# Allegro board 8880F5-0827_txbegin.brd (continued)
## Routing (per net, layer and track width the routed paths; a pad name or vN(x,y) marks a point on that pad's centre or on a via; arc(x,y) is an arc through that point) (continued)
; 400.51,78.74 D106.B9 ; D106.B9 401.32,79.55 ; D106.B9 402.13,78.74 ; D106.B9 401.32,77.93 ; D115.B6 336.09,368.3 ; D115.B6 335.28,367.49 ; D115.B6 334.47,368.3 ; D115.B6 335.28,369.11 ; D128.A6 25.4,36.37 ; D128.A6 26.21,35.56 ; D128.A6 25.4,34.75 ; D128.A6 24.59,35.56 ; D108.B12 409.75,40.64 ; D108.B12 408.94,39.83 ; D108.B12 408.94,41.45 ; D108.B12 408.13,40.64 ; 327.66,57.61 D103.B9 ; D103.B9 327.66,59.23 ; D103.B9 326.85,58.42 ; D103.B9 328.47,58.42 ; 270.97,81.28 D122.B16 ; D122.B16 272.59,81.28 ; D122.B16 271.78,80.47 ; D122.B16 271.78,82.09 ; 14.43,40.64 D128.B2 ; D128.B2 15.24,39.83 ; D128.B2 15.24,41.45 ; D128.B2 16.05,40.64 ; D108.A12 409.75,35.56 ; D108.A12 408.94,34.75 ; D108.A12 408.94,36.37 ; D108.A12 408.13,35.56 ; D120.B14 193.04,41.45 ; D120.B14 193.04,39.83 ; D120.B14 192.23,40.64 ; D120.B14 193.85,40.64 ; 385.27,370.84 D111.B15 ; D111.B15 386.89,370.84 ; D111.B15 386.08,371.65 ; D111.B15 386.08,370.03 ; D120.B1 160.83,38.1 ; D120.B1 160.02,37.29 ; D120.B1 160.02,38.91 ; D120.B1 159.21,38.1 ; 421.64,395.43 D112.A1 ; D112.A1 422.45,396.24 ; D112.A1 420.83,396.24 ; D112.A1 421.64,397.05 ; D118.B4 167.64,82.09 ; D118.B4 167.64,80.47 ; D118.B4 168.45,81.28 ; D118.B4 166.83,81.28 ; D111.B8 404.67,368.3 ; D111.B8 403.86,367.49 ; D111.B8 403.05,368.3 ; D111.B8 403.86,369.11 ; 271.78,60.15 D123.B16 ; D123.B16 271.78,61.77 ; D123.B16 272.59,60.96 ; D123.B16 270.97,60.96 ; SITE4.G4 331.33,181.81 ; SITE4.G4 331.33,180.85 ; SITE4.G4 330.85,181.33 ; SITE4.G4 331.81,181.33 ; D112.A3 417.37,396.24 ; D112.A3 416.56,397.05 ; D112.A3 415.75,396.24 ; D112.A3 416.56,395.43 ; 312.42,349.71 D114.B15 ; D114.B15 313.23,350.52 ; D114.B15 311.61,350.52 ; D114.B15 312.42,351.33 ; D120.B16 198.12,41.45 ; D120.B16 197.31,40.64 ; D120.B16 198.93,40.64 ; D120.B16 198.12,39.83 ; 344.73,66.04 D302.A16 ; D302.A16 345.44,66.75 ; D302.A16 345.44,65.33 ; D302.A16 346.15,66.04 ; D301.A2 310.59,86.36 ; D301.A2 309.88,87.07 ; D301.A2 309.17,86.36 ; D301.A2 309.88,85.65 ; D306.A11 406.4,64.21 ; D306.A11 405.69,63.5 ; D306.A11 407.11,63.5 ; D306.A11 406.4,62.79 ; CSDPS425.C15 238.76,341.17 ; CSDPS425.C15 239.57,340.36 ; CSDPS425.C15 237.95,340.36 ; CSDPS425.C15 238.76,339.55 ; D124.A4 242.11,35.56 ; D124.A4 241.3,36.37 ; D124.A4 240.49,35.56 ; D124.A4 241.3,34.75 ; D104.B14 341.17,40.64 ; D104.B14 340.36,41.45 ; D104.B14 339.55,40.64 ; D104.B14 340.36,39.83 ; 179.53,381 D431.B9 ; D431.B9 181.15,381 ; D431.B9 180.34,381.81 ; D431.B9 180.34,380.19 ; 172.72,70.41 D318.B6 ; D318.B6 172.01,71.12 ; D318.B6 173.43,71.12 ; D318.B6 172.72,71.83 ; 335.28,387.81 D116.B6 ; D116.B6 335.28,389.43 ; D116.B6 336.09,388.62 ; D116.B6 334.47,388.62 ; D104.A10 330.2,36.37 ; D104.A10 329.39,35.56 ; D104.A10 330.2,34.75 ; D104.A10 331.01,35.56 ; CSDPS429.C13 170.18,341.17 ; CSDPS429.C13 169.37,340.36 ; CSDPS429.C13 170.18,339.55 ; CSDPS429.C13 170.99,340.36 ; D104.B2 310.69,40.64 ; D104.B2 309.88,41.45 ; D104.B2 309.07,40.64 ; D104.B2 309.88,39.83 ; 248.11,73.66 D122.A7 ; D122.A7 248.92,74.47 ; D122.A7 249.73,73.66 ; D122.A7 248.92,72.85 ; D321.B8 252.17,91.44 ; D321.B8 251.46,92.15 ; D321.B8 250.75,91.44 ; D321.B8 251.46,90.73 ; D110.A12 394.51,353.06 ; D110.A12 393.7,352.25 ; D110.A12 392.89,353.06 ; D110.A12 393.7,353.87 ; 324.31,373.38 D115.A10 ; D115.A10 325.12,374.19 ; D115.A10 325.12,372.57 ; D115.A10 325.93,373.38 ; D302.B10 330.91,71.12 ; D302.B10 330.2,70.41 ; D302.B10 329.49,71.12 ; D302.B10 330.2,71.83 ; D132.B9 106.68,38.91 ; D132.B9 106.68,37.29 ; D132.B9 105.87,38.1 ; D132.B9 107.49,38.1 ; D321.A1 234.39,83.82 ; D321.A1 232.97,83.82 ; D321.A1 233.68,84.53 ; D321.A1 233.68,83.11 ; D106.B15 416.56,79.55 ; D106.B15 415.75,78.74 ; D106.B15 416.56,77.93 ; D106.B15 417.37,78.74 ; 340.36,352.25 D114.A4 ; D114.A4 341.17,353.06 ; D114.A4 339.55,353.06 ; D114.A4 340.36,353.87 ; D106.B3 386.89,78.74 ; D106.B3 385.27,78.74 ; D106.B3 386.08,79.55 ; D106.B3 386.08,77.93 ; D318.A10 182.88,66.75 ; D318.A10 182.88,65.33 ; D318.A10 183.59,66.04 ; D318.A10 182.17,66.04 ; 50.8,34.75 D128.A16 ; D128.A16 50.8,36.37 ; D128.A16 49.99,35.56 ; D128.A16 51.61,35.56 ; 44.91,55.88 D127.A14 ; D127.A14 45.72,55.07 ; D127.A14 45.72,56.69 ; D127.A14 46.53,55.88 ; 187.15,368.3 D231.B6 ; D231.B6 187.96,367.49 ; D231.B6 187.96,369.11 ; D231.B6 188.77,368.3 ; D111.B11 397.05,370.84 ; D111.B11 395.43,370.84 ; D111.B11 396.24,371.65 ; D111.B11 396.24,370.03 ; 251.46,34.75 D124.A8 ; D124.A8 250.65,35.56 ; D124.A8 251.46,36.37 ; D124.A8 252.27,35.56 ; D107.A7 397.05,53.34 ; D107.A7 396.24,54.15 ; D107.A7 395.43,53.34 ; D107.A7 396.24,52.53 ; D113.A1 348.79,335.28 ; D113.A1 347.17,335.28 ; D113.A1 347.98,334.47 ; D113.A1 347.98,336.09 ; D113.A9 328.47,335.28 ; D113.A9 327.66,334.47 ; D113.A9 327.66,336.09 ; D113.A9 326.85,335.28 ; 248.21,83.82 D321.A7 ; D321.A7 248.92,83.11 ; D321.A7 248.92,84.53 ; D321.A7 249.63,83.82 ; 269.24,37.29 D124.B15 ; D124.B15 270.05,38.1 ; D124.B15 268.43,38.1 ; D124.B15 269.24,38.91 ; 42.37,78.74 D126.B13 ; D126.B13 43.99,78.74 ; D126.B13 43.18,79.55 ; D126.B13 43.18,77.93 ; 392.89,55.88 D107.A6 ; D107.A6 394.51,55.88 ; D107.A6 393.7,55.07 ; D107.A6 393.7,56.69 ; D106.B7 396.24,79.55 ; D106.B7 396.24,77.93 ; D106.B7 395.43,78.74 ; D106.B7 397.05,78.74 ; D120.A16 198.93,35.56 ; D120.A16 198.12,34.75 ; D120.A16 197.31,35.56 ; D120.A16 198.12,36.37 ; CSDPS225.B6 262.43,332.74 ; CSDPS225.B6 261.62,331.93 ; CSDPS225.B6 261.62,333.55 ; CSDPS225.B6 260.81,332.74 ; 91.44,72.85 D130.A3 ; D130.A3 92.25,73.66 ; D130.A3 90.63,73.66 ; D130.A3 91.44,74.47 ; 398.07,71.12 D306.B8 ; D306.B8 398.78,71.83 ; D306.B8 398.78,70.41 ; D306.B8 399.49,71.12 ; 265.99,86.36 D321.A14 ; D321.A14 267.41,86.36 ; D321.A14 266.7,87.07 ; D321.A14 266.7,85.65 ; 200.66,414.48 DPS8.A01 ; DPS8.A01 199.85,415.29 ; DPS8.A01 200.66,416.1 ; DPS8.A01 201.47,415.29 ; 395.43,330.2 D109.B11 ; D109.B11 396.24,331.01 ; D109.B11 397.05,330.2 ; D109.B11 396.24,329.39 ; 167.64,331.93 CSDPS229.B14 ; CSDPS229.B14 166.83,332.74 ; CSDPS229.B14 167.64,333.55 ; CSDPS229.B14 168.45,332.74 ; D431.B1 201.47,381 ; D431.B1 200.66,380.19 ; D431.B1 199.85,381 ; D431.B1 200.66,381.81 ; D120.B12 188.77,40.64 ; D120.B12 187.96,39.83 ; D120.B12 187.96,41.45 ; D120.B12 187.15,40.64 ; D119.B12 188.77,60.96 ; D119.B12 187.96,61.77 ; D119.B12 187.96,60.15 ; D119.B12 187.15,60.96 ; 401.32,37.29 D108.B9 ; D108.B9 402.13,38.1 ; D108.B9 401.32,38.91 ; D108.B9 400.51,38.1 ; 420.83,350.52 D110.B1 ; D110.B1 421.64,351.33 ; D110.B1 421.64,349.71 ; D110.B1 422.45,350.52 ; D301.B2 309.88,92.15 ; D301.B2 309.88,90.73 ; D301.B2 309.17,91.44 ; D301.B2 310.59,91.44 ; 248.21,68.58 D322.B7 ; D322.B7 248.92,69.29 ; D322.B7 248.92,67.87 ; D322.B7 249.63,68.58 ; CSDPS429.B10 178.61,342.9 ; CSDPS429.B10 176.99,342.9 ; CSDPS429.B10 177.8,342.09 ; CSDPS429.B10 177.8,343.71 ; D128.A10 36.37,35.56 ; D128.A10 35.56,36.37 ; D128.A10 35.56,34.75 ; D128.A10 34.75,35.56 ; D321.A10 256.54,87.07 ; D321.A10 255.83,86.36 ; D321.A10 256.54,85.65 ; D321.A10 257.25,86.36 ; D126.A5 23.67,73.66 ; D126.A5 22.86,74.47 ; D126.A5 22.86,72.85 ; D126.A5 22.05,73.66 ; SITE1.G4 251.81,241.33 ; SITE1.G4 251.33,240.85 ; SITE1.G4 251.33,241.81 ; SITE1.G4 250.85,241.33 ; D126.A1 13.51,73.66 ; D126.A1 12.7,72.85 ; D126.A1 11.89,73.66 ; D126.A1 12.7,74.47 ; 347.17,415.29 DPS2.A01 ; DPS2.A01 347.98,414.48 ; DPS2.A01 347.98,416.1 ; DPS2.A01 348.79,415.29 ; 193.04,331.93 CSDPS229.B4 ; CSDPS229.B4 193.85,332.74 ; CSDPS229.B4 192.23,332.74 ; CSDPS229.B4 193.04,333.55 ; D126.A14 46.53,76.2 ; D126.A14 44.91,76.2 ; D126.A14 45.72,75.39 ; D126.A14 45.72,77.01 ; 175.26,67.87 D318.B7 ; D318.B7 175.26,69.29 ; D318.B7 174.55,68.58 ; D318.B7 175.97,68.58 ; 416.56,32.21 D108.A15 ; D108.A15 417.37,33.02 ; D108.A15 415.75,33.02 ; D108.A15 416.56,33.83 ; 193.04,80.47 D118.B14 ; D118.B14 192.23,81.28 ; D118.B14 193.85,81.28 ; D118.B14 193.04,82.09 ; 306.53,53.34 D103.A1 ; D103.A1 307.34,54.15 ; D103.A1 307.34,52.53 ; D103.A1 308.15,53.34 ; 380.19,58.42 D107.B1 ; D107.B1 381,59.23 ; D107.B1 381,57.61 ; D107.B1 381.81,58.42 ; 16.97,53.34 D127.A3 ; D127.A3 17.78,52.53 ; D127.A3 17.78,54.15 ; D127.A3 18.59,53.34 ; D131.A9 106.68,54.15 ; D131.A9 107.49,53.34 ; D131.A9 106.68,52.53 ; D131.A9 105.87,53.34 ; 180.34,32.21 D120.A9 ; D120.A9 180.34,33.83 ; D120.A9 181.15,33.02 ; D120.A9 179.53,33.02 ; D318.A11 186.13,63.5 ; D318.A11 184.71,63.5 ; D318.A11 185.42,62.79 ; D318.A11 185.42,64.21 ; 99.06,80.47 D130.B6 ; D130.B6 99.87,81.28 ; D130.B6 99.06,82.09 ; D130.B6 98.25,81.28 ; D132.B12 115.11,40.64 ; D132.B12 114.3,39.83 ; D132.B12 114.3,41.45 ; D132.B12 113.49,40.64 ; 33.02,98.25 D125.B9 ; D125.B9 32.21,99.06 ; D125.B9 33.02,99.87 ; D125.B9 33.83,99.06 ; 169.37,78.74 D118.B5 ; D118.B5 170.99,78.74 ; D118.B5 170.18,77.93 ; D118.B5 170.18,79.55 ; 415.75,330.2 D109.B3 ; D109.B3 417.37,330.2 ; D109.B3 416.56,329.39 ; D109.B3 416.56,331.01 ; 329.39,76.2 D102.A10 ; D102.A10 330.2,77.01 ; D102.A10 331.01,76.2 ; D102.A10 330.2,75.39 ; 416.56,13.16 DPS1.A15 ; DPS1.A15 417.37,13.97 ; DPS1.A15 415.75,13.97 ; DPS1.A15 416.56,14.78 ; D118.A7 175.26,74.47 ; D118.A7 175.26,72.85 ; D118.A7 176.07,73.66 ; D118.A7 174.45,73.66 ; 396.24,375.11 D111.A11 ; D111.A11 396.24,376.73 ; D111.A11 397.05,375.92 ; D111.A11 395.43,375.92 ; D306.A9 401.32,64.21 ; D306.A9 402.03,63.5 ; D306.A9 401.32,62.79 ; D306.A9 400.61,63.5 ; 27.94,93.17 D125.A7 ; D125.A7 27.94,94.79 ; D125.A7 28.75,93.98 ; D125.A7 27.13,93.98 ; 237.95,330.2 CSDPS225.C15 ; CSDPS225.C15 238.76,331.01 ; CSDPS225.C15 239.57,330.2 ; CSDPS225.C15 238.76,329.39 ; D305.A4 389.33,86.36 ; D305.A4 387.91,86.36 ; D305.A4 388.62,85.65 ; D305.A4 388.62,87.07 ; D103.B14 340.36,61.77 ; D103.B14 341.17,60.96 ; D103.B14 339.55,60.96 ; D103.B14 340.36,60.15 ; 251.46,85.65 D321.A8 ; D321.A8 251.46,87.07 ; D321.A8 250.75,86.36 ; D321.A8 252.17,86.36 ; D305.B6 394.41,91.44 ; D305.B6 392.99,91.44 ; D305.B6 393.7,90.73 ; D305.B6 393.7,92.15 ; 329.85,187.93 SITE4.G9 ; SITE4.G9 330.81,187.93 ; SITE4.G9 330.33,188.41 ; SITE4.G9 330.33,187.45 ; 400.51,350.52 D110.B9 ; D110.B9 402.13,350.52 ; D110.B9 401.32,351.33 ; D110.B9 401.32,349.71 ; 176.99,378.46 D431.B10 ; D431.B10 178.61,378.46 ; D431.B10 177.8,377.65 ; D431.B10 177.8,379.27 ; D113.A6 336.09,332.74 ; D113.A6 335.28,333.55 ; D113.A6 334.47,332.74 ; D113.A6 335.28,331.93 ; 241.3,55.07 D123.A4 ; D123.A4 240.49,55.88 ; D123.A4 241.3,56.69 ; D123.A4 242.11,55.88 ; 316.69,33.02 D104.A5 ; D104.A5 317.5,32.21 ; D104.A5 317.5,33.83 ; D104.A5 318.31,33.02 ; 116.03,99.06 D129.B13 ; D129.B13 116.84,99.87 ; D129.B13 116.84,98.25 ; D129.B13 117.65,99.06 ; D118.A14 193.85,76.2 ; D118.A14 192.23,76.2 ; D118.A14 193.04,75.39 ; D118.A14 193.04,77.01 ; 414.02,392.89 D112.A4 ; D112.A4 413.21,393.7 ; D112.A4 414.83,393.7 ; D112.A4 414.02,394.51 ; D131.B1 86.36,59.23 ; D131.B1 86.36,57.61 ; D131.B1 85.55,58.42 ; D131.B1 87.17,58.42 ; 164.39,83.82 D317.A3 ; D317.A3 165.1,83.11 ; D317.A3 165.81,83.82 ; D317.A3 165.1,84.53 ; DPS8.C11 175.26,411.02 ; DPS8.C11 176.07,410.21 ; DPS8.C11 175.26,409.4 ; DPS8.C11 174.45,410.21 ; D115.A3 342.9,376.73 ; D115.A3 342.09,375.92 ; D115.A3 342.9,375.11 ; D115.A3 343.71,375.92 ; D116.A11 322.58,397.05 ; D116.A11 321.77,396.24 ; D116.A11 322.58,395.43 ; D116.A11 323.39,396.24 ; 411.48,349.71 D110.B5 ; D110.B5 410.67,350.52 ; D110.B5 411.48,351.33 ; D110.B5 412.29,350.52 ; 43.18,32.21 D128.A13 ; D128.A13 42.37,33.02 ; D128.A13 43.18,33.83 ; D128.A13 43.99,33.02 ; 169.47,83.82 D317.A5 ; D317.A5 170.18,84.53 ; D317.A5 170.89,83.82 ; D317.A5 170.18,83.11 ; DPS2.A05 338.63,415.29 ; DPS2.A05 337.82,416.1 ; DPS2.A05 337.01,415.29 ; DPS2.A05 337.82,414.48 ; 403.86,352.25 D110.A8 ; D110.A8 403.86,353.87 ; D110.A8 404.67,353.06 ; D110.A8 403.05,353.06 ; 421.64,329.39 D109.B1 ; D109.B1 420.83,330.2 ; D109.B1 421.64,331.01 ; D109.B1 422.45,330.2 ; 44.91,35.56 D128.A14 ; D128.A14 46.53,35.56 ; D128.A14 45.72,34.75 ; D128.A14 45.72,36.37 ; 331.33,187.45 SITE4.G10 ; SITE4.G10 331.81,187.93 ; SITE4.G10 331.33,188.41 ; SITE4.G10 330.85,187.93 ; D107.B3 386.08,59.23 ; D107.B3 385.27,58.42 ; D107.B3 386.89,58.42 ; D107.B3 386.08,57.61 ; D103.A14 341.17,55.88 ; D103.A14 340.36,56.69 ; D103.A14 339.55,55.88 ; D103.A14 340.36,55.07 ; 324.31,353.06 D114.A10 ; D114.A10 325.12,352.25 ; D114.A10 325.12,353.87 ; D114.A10 325.93,353.06 ; 235.51,71.12 D322.B2 ; D322.B2 236.22,70.41 ; D322.B2 236.93,71.12 ; D322.B2 236.22,71.83 ; 421.64,334.47 D109.A1 ; D109.A1 421.64,336.09 ; D109.A1 420.83,335.28 ; D109.A1 422.45,335.28 ; 326.85,350.52 D114.B9 ; D114.B9 327.66,349.71 ; D114.B9 328.47,350.52 ; D114.B9 327.66,351.33 ; 24.59,55.88 D127.A6 ; D127.A6 25.4,55.07 ; D127.A6 25.4,56.69 ; D127.A6 26.21,55.88 ; D131.A5 97.33,53.34 ; D131.A5 96.52,54.15 ; D131.A5 95.71,53.34 ; D131.A5 96.52,52.53 ; 194.77,78.74 D118.B15 ; D118.B15 195.58,79.55 ; D118.B15 196.39,78.74 ; D118.B15 195.58,77.93 ; D118.A6 173.53,76.2 ; D118.A6 172.72,75.39 ; D118.A6 172.72,77.01 ; D118.A6 171.91,76.2 ; 88.9,95.71 D129.A2 ; D129.A2 89.71,96.52 ; D129.A2 88.9,97.33 ; D129.A2 88.09,96.52 ; 403.05,60.96 D107.B10 ; D107.B10 404.67,60.96 ; D107.B10 403.86,60.15 ; D107.B10 403.86,61.77 ; D132.B3 91.44,38.91 ; D132.B3 92.25,38.1 ; D132.B3 91.44,37.29 ; D132.B3 90.63,38.1 ; D131.A13 117.65,53.34 ; D131.A13 116.84,54.15 ; D131.A13 116.84,52.53 ; D131.A13 116.03,53.34 ; D321.B1 233.68,89.61 ; D321.B1 234.39,88.9 ; D321.B1 233.68,88.19 ; D321.B1 232.97,88.9 ; 416.56,370.03 D111.B3 ; D111.B3 416.56,371.65 ; D111.B3 417.37,370.84 ; D111.B3 415.75,370.84 ; 393.7,80.47 D106.B6 ; D106.B6 394.51,81.28 ; D106.B6 392.89,81.28 ; D106.B6 393.7,82.09 ; UNK2U2.4 482.49,215.88 ; UNK2U2.4 483.43,214.94 ; UNK2U2.4 481.55,214.94 ; UNK2U2.4 482.49,214 ; D322.A13 264.87,63.5 ; D322.A13 264.16,64.21 ; D322.A13 263.45,63.5 ; D322.A13 264.16,62.79 ; D302.A2 310.59,66.04 ; D302.A2 309.17,66.04 ; D302.A2 309.88,65.33 ; D302.A2 309.88,66.75 ; CSDPS425.C3 269.24,341.17 ; CSDPS425.C3 270.05,340.36 ; CSDPS425.C3 269.24,339.55 ; CSDPS425.C3 268.43,340.36 ; D130.A1 86.36,74.47 ; D130.A1 85.55,73.66 ; D130.A1 87.17,73.66 ; D130.A1 86.36,72.85 ; 311.61,330.2 D113.B15 ; D113.B15 312.42,331.01 ; D113.B15 313.23,330.2 ; D113.B15 312.42,329.39 ; 326.85,78.74 D102.B9 ; D102.B9 328.47,78.74 ; D102.B9 327.66,77.93 ; D102.B9 327.66,79.55 ; D116.B2 345.44,389.43 ; D116.B2 345.44,387.81 ; D116.B2 346.25,388.62 ; D116.B2 344.63,388.62 ; D318.A14 193.04,66.75 ; D318.A14 193.04,65.33 ; D318.A14 192.33,66.04 ; D318.A14 193.75,66.04 ; 408.94,85.65 D305.A12 ; D305.A12 408.94,87.07 ; D305.A12 409.65,86.36 ; D305.A12 408.23,86.36 ; 69.67,209.04 S1_I2C.4 ; S1_I2C.4 70.61,208.1 ; S1_I2C.4 70.61,209.98 ; S1_I2C.4 71.55,209.04 ; CSDPS229.B6 188.77,332.74 ; CSDPS229.B6 187.15,332.74 ; CSDPS229.B6 187.96,333.55 ; CSDPS229.B6 187.96,331.93 ; D124.A11 259.08,33.83 ; D124.A11 258.27,33.02 ; D124.A11 259.89,33.02 ; D124.A11 259.08,32.21 ; 235.51,86.36 D321.A2 ; D321.A2 236.22,87.07 ; D321.A2 236.93,86.36 ; D321.A2 236.22,85.65 ; SITE2.G10 331.81,247.93 ; SITE2.G10 331.33,248.41 ; SITE2.G10 330.85,247.93 ; SITE2.G10 331.33,247.45 ; D318.B14 193.75,71.12 ; D318.B14 193.04,70.41 ; D318.B14 193.04,71.83 ; D318.B14 192.33,71.12 ; 331.85,187.93 SITE4.G11 ; SITE4.G11 332.33,187.45 ; SITE4.G11 332.33,188.41 ; SITE4.G11 332.81,187.93 ; D129.B6 99.87,101.6 ; D129.B6 98.25,101.6 ; D129.B6 99.06,102.41 ; D129.B6 99.06,100.79 ; D108.B6 393.7,41.45 ; D108.B6 392.89,40.64 ; D108.B6 394.51,40.64 ; D108.B6 393.7,39.83 ; D115.A7 332.74,376.73 ; D115.A7 333.55,375.92 ; D115.A7 331.93,375.92 ; D115.A7 332.74,375.11 ; D125.B3 18.59,99.06 ; D125.B3 17.78,98.25 ; D125.B3 17.78,99.87 ; D125.B3 16.97,99.06 ; 164.29,370.84 D231.B15 ; D231.B15 165.91,370.84 ; D231.B15 165.1,371.65 ; D231.B15 165.1,370.03 ; SITE4.G19 331.43,186.91 ; SITE4.G19 330.95,186.43 ; SITE4.G19 331.91,186.43 ; SITE4.G19 331.43,185.95 ; CSDPS429.C7 185.42,341.17 ; CSDPS429.C7 186.23,340.36 ; CSDPS429.C7 184.61,340.36 ; CSDPS429.C7 185.42,339.55 ; D118.A15 196.39,73.66 ; D118.A15 195.58,72.85 ; D118.A15 195.58,74.47 ; D118.A15 194.77,73.66 ; SITE3.G11 252.33,188.41 ; SITE3.G11 252.33,187.45 ; SITE3.G11 251.85,187.93 ; SITE3.G11 252.81,187.93 ; 27.94,57.61 D127.B7 ; D127.B7 27.94,59.23 ; D127.B7 27.13,58.42 ; D127.B7 28.75,58.42 ; CSDPS429.C1 200.66,341.17 ; CSDPS429.C1 199.85,340.36 ; CSDPS429.C1 201.47,340.36 ; CSDPS429.C1 200.66,339.55 ; D231.A13 170.99,375.92 ; D231.A13 170.18,376.73 ; D231.A13 169.37,375.92 ; D231.A13 170.18,375.11 ; 340.36,367.49 D115.B4 ; D115.B4 340.36,369.11 ; D115.B4 339.55,368.3 ; D115.B4 341.17,368.3 ; D103.B4 314.96,61.77 ; D103.B4 314.15,60.96 ; D103.B4 315.77,60.96 ; D103.B4 314.96,60.15 ; DPS1.C01 381.81,19.05 ; DPS1.C01 381,19.86 ; DPS1.C01 381,18.24 ; DPS1.C01 380.19,19.05 ; D119.A2 162.56,56.69 ; D119.A2 161.75,55.88 ; D119.A2 162.56,55.07 ; D119.A2 163.37,55.88 ; 34.75,60.96 D127.B10 ; D127.B10 35.56,61.77 ; D127.B10 35.56,60.15 ; D127.B10 36.37,60.96 ; D318.B4 168.35,71.12 ; D318.B4 167.64,71.83 ; D318.B4 167.64,70.41 ; D318.B4 166.93,71.12 ; 410.67,33.02 D108.A13 ; D108.A13 411.48,32.21 ; D108.A13 412.29,33.02 ; D108.A13 411.48,33.83 ; D123.B4 242.11,60.96 ; D123.B4 241.3,60.15 ; D123.B4 240.49,60.96 ; D123.B4 241.3,61.77 ; D126.B6 25.4,82.09 ; D126.B6 24.59,81.28 ; D126.B6 25.4,80.47 ; D126.B6 26.21,81.28 ; D322.B8 251.46,71.83 ; D322.B8 252.17,71.12 ; D322.B8 250.75,71.12 ; D322.B8 251.46,70.41 ; D129.B11 111.76,99.87 ; D129.B11 110.95,99.06 ; D129.B11 111.76,98.25 ; D129.B11 112.57,99.06 ; D431.A16 162.56,384.35 ; D431.A16 163.37,383.54 ; D431.A16 162.56,382.73 ; D431.A16 161.75,383.54 ; 121.11,73.66 D130.A15 ; D130.A15 122.73,73.66 ; D130.A15 121.92,74.47 ; D130.A15 121.92,72.85 ; 330.95,242.83 SITE2.G15 ; SITE2.G15 331.43,243.31 ; SITE2.G15 331.91,242.83 ; SITE2.G15 331.43,242.35 ; 197.31,342.9 CSDPS429.B2 ; CSDPS429.B2 198.12,342.09 ; CSDPS429.B2 198.93,342.9 ; CSDPS429.B2 198.12,343.71 ; D321.A6 247.09,86.36 ; D321.A6 245.67,86.36 ; D321.A6 246.38,87.07 ; D321.A6 246.38,85.65 ; 177.8,90.73 D317.B8 ; D317.B8 178.51,91.44 ; D317.B8 177.8,92.15 ; D317.B8 177.09,91.44 ; 400.51,33.02 D108.A9 ; D108.A9 401.32,33.83 ; D108.A9 401.32,32.21 ; D108.A9 402.13,33.02 ; 38.1,93.17 D125.A11 ; D125.A11 38.91,93.98 ; D125.A11 37.29,93.98 ; D125.A11 38.1,94.79 ; 326.95,83.82 D301.A9 ; D301.A9 328.37,83.82 ; D301.A9 327.66,83.11 ; D301.A9 327.66,84.53 ; D112.B3 417.37,391.16 ; D112.B3 416.56,390.35 ; D112.B3 415.75,391.16 ; D112.B3 416.56,391.97 ; 332.74,62.79 D302.A11 ; D302.A11 332.74,64.21 ; D302.A11 333.45,63.5 ; D302.A11 332.03,63.5 ; 403.05,393.7 D112.A8 ; D112.A8 403.86,394.51 ; D112.A8 404.67,393.7 ; D112.A8 403.86,392.89 ; D123.A12 261.62,56.69 ; D123.A12 262.43,55.88 ; D123.A12 261.62,55.07 ; D123.A12 260.81,55.88 ; D116.A7 333.55,396.24 ; D116.A7 332.74,395.43 ; D116.A7 331.93,396.24 ; D116.A7 332.74,397.05 ; 166.93,91.44 D317.B4 ; D317.B4 168.35,91.44 ; D317.B4 167.64,90.73 ; D317.B4 167.64,92.15 ; 160.02,83.11 D317.A1 ; D317.A1 160.73,83.82 ; D317.A1 159.31,83.82 ; D317.A1 160.02,84.53 ; 403.05,327.66 D109.B8 ; D109.B8 403.86,326.85 ; D109.B8 404.67,327.66 ; D109.B8 403.86,328.47 ; 413.21,55.88 D107.A14 ; D107.A14 414.83,55.88 ; D107.A14 414.02,56.69 ; D107.A14 414.02,55.07 ; 322.58,72.85 D102.A7 ; D102.A7 321.77,73.66 ; D102.A7 322.58,74.47 ; D102.A7 323.39,73.66 ; 176.99,332.74 CSDPS229.B10 ; CSDPS229.B10 178.61,332.74 ; CSDPS229.B10 177.8,331.93 ; CSDPS229.B10 177.8,333.55 ; D231.B12 172.72,369.11 ; D231.B12 173.53,368.3 ; D231.B12 171.91,368.3 ; D231.B12 172.72,367.49 ; 118.57,96.52 D129.A14 ; D129.A14 119.38,95.71 ; D129.A14 119.38,97.33 ; D129.A14 120.19,96.52 ; 314.96,367.49 D115.B14 ; D115.B14 314.15,368.3 ; D115.B14 314.96,369.11 ; D115.B14 315.77,368.3 ; D132.A6 99.06,36.37 ; D132.A6 99.87,35.56 ; D132.A6 99.06,34.75 ; D132.A6 98.25,35.56 ; D129.A10 109.22,97.33 ; D129.A10 108.41,96.52 ; D129.A10 109.22,95.71 ; D129.A10 110.03,96.52 ; D110.A1 421.64,356.41 ; D110.A1 420.83,355.6 ; D110.A1 422.45,355.6 ; D110.A1 421.64,354.79 ; D122.B5 244.65,78.74 ; D122.B5 243.84,79.55 ; D122.B5 243.84,77.93 ; D122.B5 243.03,78.74 ; D124.A13 264.16,33.83 ; D124.A13 264.97,33.02 ; D124.A13 263.35,33.02 ; D124.A13 264.16,32.21 ; 249.33,247.45 SITE1.G8 ; SITE1.G8 248.85,247.93 ; SITE1.G8 249.33,248.41 ; SITE1.G8 249.81,247.93 ; D431.A10 177.8,384.35 ; D431.A10 177.8,382.73 ; D431.A10 178.61,383.54 ; D431.A10 176.99,383.54 ; D120.A13 191.31,33.02 ; D120.A13 190.5,33.83 ; D120.A13 189.69,33.02 ; D120.A13 190.5,32.21 ; 418.29,393.7 D112.A2 ; D112.A2 419.1,394.51 ; D112.A2 419.91,393.7 ; D112.A2 419.1,392.89 ; DPS1.C15 417.37,19.05 ; DPS1.C15 415.75,19.05 ; DPS1.C15 416.56,18.24 ; DPS1.C15 416.56,19.86 ; D305.B7 396.95,88.9 ; D305.B7 395.53,88.9 ; D305.B7 396.24,88.19 ; D305.B7 396.24,89.61 ; 387.81,60.96 D107.B4 ; D107.B4 388.62,60.15 ; D107.B4 389.43,60.96 ; D107.B4 388.62,61.77 ; D106.A2 384.35,76.2 ; D106.A2 383.54,77.01 ; D106.A2 383.54,75.39 ; D106.A2 382.73,76.2 ; 243.03,330.2 CSDPS225.C13 ; CSDPS225.C13 243.84,331.01 ; CSDPS225.C13 243.84,329.39 ; CSDPS225.C13 244.65,330.2 ; 170.18,72.85 D118.A5 ; D118.A5 170.18,74.47 ; D118.A5 170.99,73.66 ; D118.A5 169.37,73.66 ; D122.B1 234.49,78.74 ; D122.B1 233.68,79.55 ; D122.B1 233.68,77.93 ; D122.B1 232.87,78.74 ; 113.49,35.56 D132.A12 ; D132.A12 114.3,36.37 ; D132.A12 115.11,35.56 ; D132.A12 114.3,34.75 ; 392.89,35.56 D108.A6 ; D108.A6 393.7,36.37 ; D108.A6 393.7,34.75 ; D108.A6 394.51,35.56 ; 306.53,38.1 D104.B1 ; D104.B1 307.34,38.91 ; D104.B1 308.15,38.1 ; D104.B1 307.34,37.29 ; 17.78,32.21 D128.A3 ; D128.A3 17.78,33.83 ; D128.A3 16.97,33.02 ; D128.A3 18.59,33.02 ; D127.B9 33.02,59.23 ; D127.B9 32.21,58.42 ; D127.B9 33.02,57.61 ; D127.B9 33.83,58.42 ; 319.23,347.98 D114.B12 ; D114.B12 320.04,347.17 ; D114.B12 320.85,347.98 ; D114.B12 320.04,348.79 ; 232.87,19.05 DPS3.C01 ; DPS3.C01 234.49,19.05 ; DPS3.C01 233.68,18.24 ; DPS3.C01 233.68,19.86 ; D114.A9 327.66,356.41 ; D114.A9 326.85,355.6 ; D114.A9 327.66,354.79 ; D114.A9 328.47,355.6 ; DPS2.C05 337.82,411.02 ; DPS2.C05 337.01,410.21 ; DPS2.C05 338.63,410.21 ; DPS2.C05 337.82,409.4 ; 418.39,91.44 D305.B16 ; D305.B16 419.1,92.15 ; D305.B16 419.81,91.44 ; D305.B16 419.1,90.73 ; 250.33,247.45 SITE1.G9 ; SITE1.G9 250.81,247.93 ; SITE1.G9 250.33,248.41 ; SITE1.G9 249.85,247.93 ; D110.A15 386.89,355.6 ; D110.A15 386.08,354.79 ; D110.A15 386.08,356.41 ; D110.A15 385.27,355.6 ; 319.23,60.96 D103.B6 ; D103.B6 320.04,60.15 ; D103.B6 320.04,61.77 ; D103.B6 320.85,60.96 ; 19.51,55.88 D127.A4 ; D127.A4 20.32,55.07 ; D127.A4 21.13,55.88 ; D127.A4 20.32,56.69 ; 386.08,83.11 D305.A3 ; D305.A3 385.37,83.82 ; D305.A3 386.79,83.82 ; D305.A3 386.08,84.53 ; D124.B10 256.54,41.45 ; D124.B10 256.54,39.83 ; D124.B10 255.73,40.64 ; D124.B10 257.35,40.64 ; D114.A13 317.5,356.41 ; D114.A13 317.5,354.79 ; D114.A13 316.69,355.6 ; D114.A13 318.31,355.6 ; D110.B2 419.91,347.98 ; D110.B2 419.1,348.79 ; D110.B2 419.1,347.17 ; D110.B2 418.29,347.98 ; D118.B12 188.77,81.28 ; D118.B12 187.96,80.47 ; D118.B12 187.96,82.09 ; D118.B12 187.15,81.28 ; 314.96,90.73 D301.B4 ; D301.B4 314.25,91.44 ; D301.B4 315.67,91.44 ; D301.B4 314.96,92.15 ; 414.02,39.83 D108.B14 ; D108.B14 414.02,41.45 ; D108.B14 414.83,40.64 ; D108.B14 413.21,40.64 ; D124.B2 236.22,41.45 ; D124.B2 237.03,40.64 ; D124.B2 235.41,40.64 ; D124.B2 236.22,39.83 ; 309.88,392.89 D116.A16 ; D116.A16 309.88,394.51 ; D116.A16 310.69,393.7 ; D116.A16 309.07,393.7 ; 96.2,219.15 U2.4 ; U2.4 98.08,219.15 ; U2.4 97.14,220.09 ; U2.4 97.14,218.21 ; D322.A5 244.55,63.5 ; D322.A5 243.13,63.5 ; D322.A5 243.84,62.79 ; D322.A5 243.84,64.21 ; 101.6,57.61 D131.B7 ; D131.B7 102.41,58.42 ; D131.B7 101.6,59.23 ; D131.B7 100.79,58.42 ; 174.45,370.84 D231.B11 ; D231.B11 175.26,371.65 ; D231.B11 176.07,370.84 ; D231.B11 175.26,370.03 ; D103.A2 310.69,55.88 ; D103.A2 309.88,55.07 ; D103.A2 309.88,56.69 ; D103.A2 309.07,55.88 ; CSDPS429.B16 162.56,343.71 ; CSDPS429.B16 163.37,342.9 ; CSDPS429.B16 162.56,342.09 ; CSDPS429.B16 161.75,342.9 ; D118.B8 178.61,81.28 ; D118.B8 176.99,81.28 ; D118.B8 177.8,82.09 ; D118.B8 177.8,80.47 ; D107.A11 407.21,53.34 ; D107.A11 406.4,52.53 ; D107.A11 405.59,53.34 ; D107.A11 406.4,54.15 ; 165.1,380.19 D431.B15 ; D431.B15 165.91,381 ; D431.B15 164.29,381 ; D431.B15 165.1,381.81 ; D132.A2 89.71,35.56 ; D132.A2 88.9,36.37 ; D132.A2 88.09,35.56 ; D132.A2 88.9,34.75 ; 187.15,76.2 D118.A12 ; D118.A12 187.96,75.39 ; D118.A12 188.77,76.2 ; D118.A12 187.96,77.01 ; 176.99,373.38 D231.A10 ; D231.A10 177.8,372.57 ; D231.A10 178.61,373.38 ; D231.A10 177.8,374.19 ; D123.B7 249.73,58.42 ; D123.B7 248.11,58.42 ; D123.B7 248.92,57.61 ; D123.B7 248.92,59.23 ; 314.96,387.81 D116.B14 ; D116.B14 314.96,389.43 ; D116.B14 315.77,388.62 ; D116.B14 314.15,388.62 ; 406.4,77.93 D106.B11 ; D106.B11 407.21,78.74 ; D106.B11 405.59,78.74 ; D106.B11 406.4,79.55 ; D231.A4 193.04,374.19 ; D231.A4 193.04,372.57 ; D231.A4 192.23,373.38 ; D231.A4 193.85,373.38 ; D112.B7 406.4,391.97 ; D112.B7 405.59,391.16 ; D112.B7 407.21,391.16 ; D112.B7 406.4,390.35 ; 108.41,76.2 D130.A10 ; D130.A10 110.03,76.2 ; D130.A10 109.22,75.39 ; D130.A10 109.22,77.01 ; 260.91,91.44 D321.B12 ; D321.B12 261.62,90.73 ; D321.B12 262.33,91.44 ; D321.B12 261.62,92.15 ; 246.38,65.33 D322.A6 ; D322.A6 245.67,66.04 ; D322.A6 246.38,66.75 ; D322.A6 247.09,66.04 ; 121.92,52.53 D131.A15 ; D131.A15 122.73,53.34 ; D131.A15 121.92,54.15 ; D131.A15 121.11,53.34 ; 243.03,340.36 CSDPS425.C13 ; CSDPS425.C13 243.84,341.17 ; CSDPS425.C13 243.84,339.55 ; CSDPS425.C13 244.65,340.36 ; 411.48,375.11 D111.A5 ; D111.A5 411.48,376.73 ; D111.A5 410.67,375.92 ; D111.A5 412.29,375.92 ; 383.54,80.47 D106.B2 ; D106.B2 382.73,81.28 ; D106.B2 383.54,82.09 ; D106.B2 384.35,81.28 ; 247.85,181.33 SITE3.G1 ; SITE3.G1 248.33,180.85 ; SITE3.G1 248.33,181.81 ; SITE3.G1 248.81,181.33 ; 116.03,58.42 D131.B13 ; D131.B13 116.84,59.23 ; D131.B13 117.65,58.42 ; D131.B13 116.84,57.61 ; D305.B3 386.79,88.9 ; D305.B3 386.08,89.61 ; D305.B3 385.37,88.9 ; D305.B3 386.08,88.19 ; 391.16,354.79 D110.A13 ; D110.A13 390.35,355.6 ; D110.A13 391.16,356.41 ; D110.A13 391.97,355.6 ; D102.B2 310.69,81.28 ; D102.B2 309.07,81.28 ; D102.B2 309.88,80.47 ; D102.B2 309.88,82.09 ; D127.B14 45.72,61.77 ; D127.B14 45.72,60.15 ; D127.B14 44.91,60.96 ; D127.B14 46.53,60.96 ; 189.69,370.84 D231.B5 ; D231.B5 190.5,370.03 ; D231.B5 190.5,371.65 ; D231.B5 191.31,370.84 ; D125.A15 48.26,94.79 ; D125.A15 47.45,93.98 ; D125.A15 48.26,93.17 ; D125.A15 49.07,93.98 ; 259.08,62.79 D322.A11 ; D322.A11 259.79,63.5 ; D322.A11 258.37,63.5 ; D322.A11 259.08,64.21 ; 322.58,57.61 D103.B7 ; D103.B7 321.77,58.42 ; D103.B7 322.58,59.23 ; D103.B7 323.39,58.42 ; 243.84,37.29 D124.B5 ; D124.B5 243.84,38.91 ; D124.B5 244.65,38.1 ; D124.B5 243.03,38.1 ; D111.B14 388.62,369.11 ; D111.B14 387.81,368.3 ; D111.B14 389.43,368.3 ; D111.B14 388.62,367.49 ; DPS2.A11 323.39,415.29 ; DPS2.A11 321.77,415.29 ; DPS2.A11 322.58,414.48 ; DPS2.A11 322.58,416.1 ; 95.71,78.74 D130.B5 ; D130.B5 96.52,77.93 ; D130.B5 97.33,78.74 ; D130.B5 96.52,79.55 ; D125.A14 46.53,96.52 ; D125.A14 44.91,96.52 ; D125.A14 45.72,95.71 ; D125.A14 45.72,97.33 ; 15.24,80.47 D126.B2 ; D126.B2 14.43,81.28 ; D126.B2 15.24,82.09 ; D126.B2 16.05,81.28 ; 317.5,62.79 D302.A5 ; D302.A5 317.5,64.21 ; D302.A5 318.21,63.5 ; D302.A5 316.79,63.5 ; 243.84,52.53 D123.A5 ; D123.A5 243.03,53.34 ; D123.A5 244.65,53.34 ; D123.A5 243.84,54.15 ; 251.33,247.45 SITE1.G10 ; SITE1.G10 251.33,248.41 ; SITE1.G10 250.85,247.93 ; SITE1.G10 251.81,247.93 ; D119.B15 195.58,59.23 ; D119.B15 194.77,58.42 ; D119.B15 195.58,57.61 ; D119.B15 196.39,58.42 ; SITE4.G17 329.03,186.91 ; SITE4.G17 329.03,185.95 ; SITE4.G17 328.55,186.43 ; SITE4.G17 329.51,186.43 ; D108.B13 412.29,38.1 ; D108.B13 410.67,38.1 ; D108.B13 411.48,37.29 ; D108.B13 411.48,38.91 ; 312.42,395.43 D116.A15 ; D116.A15 311.61,396.24 ; D116.A15 312.42,397.05 ; D116.A15 313.23,396.24 ; 332.74,77.93 D102.B11 ; D102.B11 331.93,78.74 ; D102.B11 333.55,78.74 ; D102.B11 332.74,79.55 ; 391.16,67.87 D306.B5 ; D306.B5 391.87,68.58 ; D306.B5 390.45,68.58 ; D306.B5 391.16,69.29 ; SITE3.G16 253.11,182.83 ; SITE3.G16 252.15,182.83 ; SITE3.G16 252.63,182.35 ; SITE3.G16 252.63,183.31 ; 176.99,35.56 D120.A8 ; D120.A8 178.61,35.56 ; D120.A8 177.8,36.37 ; D120.A8 177.8,34.75 ; D129.A13 116.84,94.79 ; D129.A13 116.03,93.98 ; D129.A13 117.65,93.98 ; D129.A13 116.84,93.17 ; 419.1,70.41 D306.B16 ; D306.B16 419.1,71.83 ; D306.B16 418.39,71.12 ; D306.B16 419.81,71.12 ; D110.A11 397.05,355.6 ; D110.A11 395.43,355.6 ; D110.A11 396.24,356.41 ; D110.A11 396.24,354.79 ; 270.97,332.74 CSDPS225.B2 ; CSDPS225.B2 271.78,331.93 ; CSDPS225.B2 272.59,332.74 ; CSDPS225.B2 271.78,333.55 ; 240.59,91.44 D321.B4 ; D321.B4 241.3,92.15 ; D321.B4 242.01,91.44 ; D321.B4 241.3,90.73 ; D317.B5 170.18,89.61 ; D317.B5 169.47,88.9 ; D317.B5 170.18,88.19 ; D317.B5 170.89,88.9 ; 121.92,37.29 D132.B15 ; D132.B15 121.92,38.91 ; D132.B15 121.11,38.1 ; D132.B15 122.73,38.1 ; 261.62,85.65 D321.A12 ; D321.A12 260.91,86.36 ; D321.A12 261.62,87.07 ; D321.A12 262.33,86.36 ; 22.05,58.42 D127.B5 ; D127.B5 22.86,57.61 ; D127.B5 22.86,59.23 ; D127.B5 23.67,58.42 ; D123.A3 239.57,53.34 ; D123.A3 238.76,52.53 ; D123.A3 237.95,53.34 ; D123.A3 238.76,54.15 ; 194.77,38.1 D120.B15 ; D120.B15 195.58,38.91 ; D120.B15 195.58,37.29 ; D120.B15 196.39,38.1 ; CSDPS225.B16 236.22,333.55 ; CSDPS225.B16 236.22,331.93 ; CSDPS225.B16 237.03,332.74 ; CSDPS225.B16 235.41,332.74 ; D125.B14 45.72,102.41 ; D125.B14 45.72,100.79 ; D125.B14 44.91,101.6 ; D125.B14 46.53,101.6 ; CSDPS229.C11 176.07,330.2 ; CSDPS229.C11 175.26,331.01 ; CSDPS229.C11 175.26,329.39 ; CSDPS229.C11 174.45,330.2 ; D231.B1 200.66,371.65 ; D231.B1 199.85,370.84 ; D231.B1 201.47,370.84 ; D231.B1 200.66,370.03 ; D114.A6 336.09,353.06 ; D114.A6 334.47,353.06 ; D114.A6 335.28,353.87 ; D114.A6 335.28,352.25 ; 400.51,330.2 D109.B9 ; D109.B9 401.32,331.01 ; D109.B9 402.13,330.2 ; D109.B9 401.32,329.39 ; D128.B9 33.02,38.91 ; D128.B9 32.21,38.1 ; D128.B9 33.02,37.29 ; D128.B9 33.83,38.1 ; D103.A12 335.28,56.69 ; D103.A12 334.47,55.88 ; D103.A12 336.09,55.88 ; D103.A12 335.28,55.07 ; D132.B11 112.57,38.1 ; D132.B11 111.76,38.91 ; D132.B11 110.95,38.1 ; D132.B11 111.76,37.29 ; 311.71,63.5 D302.A3 ; D302.A3 312.42,62.79 ; D302.A3 312.42,64.21 ; D302.A3 313.13,63.5 ; 114.3,95.71 D129.A12 ; D129.A12 113.49,96.52 ; D129.A12 115.11,96.52 ; D129.A12 114.3,97.33 ; D431.A6 188.77,383.54 ; D431.A6 187.15,383.54 ; D431.A6 187.96,384.35 ; D431.A6 187.96,382.73 ; 418.29,332.74 D109.A2 ; D109.A2 419.91,332.74 ; D109.A2 419.1,333.55 ; D109.A2 419.1,331.93 ; D116.B8 330.2,389.43 ; D116.B8 331.01,388.62 ; D116.B8 330.2,387.81 ; D116.B8 329.39,388.62 ; 314.15,327.66 D113.B14 ; D113.B14 315.77,327.66 ; D113.B14 314.96,326.85 ; D113.B14 314.96,328.47 ; D305.A6 393.7,87.07 ; D305.A6 393.7,85.65 ; D305.A6 392.99,86.36 ; D305.A6 394.41,86.36 ; 339.55,393.7 D116.A4 ; D116.A4 341.17,393.7 ; D116.A4 340.36,394.51 ; D116.A4 340.36,392.89 ; D431.A12 172.72,384.35 ; D431.A12 172.72,382.73 ; D431.A12 171.91,383.54 ; D431.A12 173.53,383.54 ; D113.B4 341.17,327.66 ; D113.B4 339.55,327.66 ; D113.B4 340.36,326.85 ; D113.B4 340.36,328.47 ; D130.B10 109.22,82.09 ; D130.B10 108.41,81.28 ; D130.B10 109.22,80.47 ; D130.B10 110.03,81.28 ; D107.B8 399.59,60.96 ; D107.B8 397.97,60.96 ; D107.B8 398.78,61.77 ; D107.B8 398.78,60.15 ; 161.75,40.64 D120.B2 ; D120.B2 162.56,41.45 ; D120.B2 163.37,40.64 ; D120.B2 162.56,39.83 ; 161.85,66.04 D318.A2 ; D318.A2 163.27,66.04 ; D318.A2 162.56,65.33 ; D318.A2 162.56,66.75 ; D123.B3 238.76,59.23 ; D123.B3 238.76,57.61 ; D123.B3 237.95,58.42 ; D123.B3 239.57,58.42 ; DPS2.C01 347.98,411.02 ; DPS2.C01 348.79,410.21 ; DPS2.C01 347.98,409.4 ; DPS2.C01 347.17,410.21 ; 49.99,40.64 D128.B16 ; D128.B16 50.8,41.45 ; D128.B16 51.61,40.64 ; D128.B16 50.8,39.83 ; 179.53,375.92 D231.A9 ; D231.A9 180.34,375.11 ; D231.A9 180.34,376.73 ; D231.A9 181.15,375.92 ; 345.44,75.39 D102.A16 ; D102.A16 346.25,76.2 ; D102.A16 344.63,76.2 ; D102.A16 345.44,77.01 ; 248.85,181.33 SITE3.G2 ; SITE3.G2 249.33,180.85 ; SITE3.G2 249.33,181.81 ; SITE3.G2 249.81,181.33 ; D321.B11 259.79,88.9 ; D321.B11 258.37,88.9 ; D321.B11 259.08,89.61 ; D321.B11 259.08,88.19 ; 249.03,182.35 SITE3.G13 ; SITE3.G13 248.55,182.83 ; SITE3.G13 249.03,183.31 ; SITE3.G13 249.51,182.83 ; 342.9,67.87 D302.B15 ; D302.B15 342.9,69.29 ; D302.B15 342.19,68.58 ; D302.B15 343.61,68.58 ; 314.96,347.17 D114.B14 ; D114.B14 314.96,348.79 ; D114.B14 314.15,347.98 ; D114.B14 315.77,347.98 ; D125.A9 33.83,93.98 ; D125.A9 33.02,93.17 ; D125.A9 33.02,94.79 ; D125.A9 32.21,93.98 ; 96.52,32.21 D132.A5 ; D132.A5 96.52,33.83 ; D132.A5 97.33,33.02 ; D132.A5 95.71,33.02 ; SITE2.G6 333.81,241.33 ; SITE2.G6 333.33,241.81 ; SITE2.G6 332.85,241.33 ; SITE2.G6 333.33,240.85 ; 169.37,58.42 D119.B5 ; D119.B5 170.18,59.23 ; D119.B5 170.99,58.42 ; D119.B5 170.18,57.61 ; D305.A2 384.25,86.36 ; D305.A2 383.54,85.65 ; D305.A2 382.83,86.36 ; D305.A2 383.54,87.07 ; D132.A4 94.79,35.56 ; D132.A4 93.98,34.75 ; D132.A4 93.98,36.37 ; D132.A4 93.17,35.56 ; 182.07,40.64 D120.B10 ; D120.B10 183.69,40.64 ; D120.B10 182.88,39.83 ; D120.B10 182.88,41.45 ; D106.B16 419.91,81.28 ; D106.B16 419.1,80.47 ; D106.B16 419.1,82.09 ; D106.B16 418.29,81.28 ; 332.63,182.35 SITE4.G16 ; SITE4.G16 333.11,182.83 ; SITE4.G16 332.63,183.31 ; SITE4.G16 332.15,182.83 ; 268.43,33.02 D124.A15 ; D124.A15 269.24,32.21 ; D124.A15 269.24,33.83 ; D124.A15 270.05,33.02 ; 316.69,350.52 D114.B13 ; D114.B13 318.31,350.52 ; D114.B13 317.5,351.33 ; D114.B13 317.5,349.71 ; D108.B3 386.08,38.91 ; D108.B3 385.27,38.1 ; D108.B3 386.89,38.1 ; D108.B3 386.08,37.29 ; D111.A4 414.02,374.19 ; D111.A4 413.21,373.38 ; D111.A4 414.02,372.57 ; D111.A4 414.83,373.38 ; D302.B12 335.99,71.12 ; D302.B12 335.28,71.83 ; D302.B12 335.28,70.41 ; D302.B12 334.57,71.12 ; D128.A4 20.32,36.37 ; D128.A4 19.51,35.56 ; D128.A4 20.32,34.75 ; D128.A4 21.13,35.56 ; 245.67,71.12 D322.B6 ; D322.B6 246.38,71.83 ; D322.B6 247.09,71.12 ; D322.B6 246.38,70.41 ; D130.A11 112.57,73.66 ; D130.A11 111.76,74.47 ; D130.A11 110.95,73.66 ; D130.A11 111.76,72.85 ; 385.27,73.66 D106.A3 ; D106.A3 386.08,74.47 ; D106.A3 386.08,72.85 ; D106.A3 386.89,73.66 ; 197.41,91.44 D317.B16 ; D317.B16 198.12,90.73 ; D317.B16 198.83,91.44 ; D317.B16 198.12,92.15 ; D111.A2 419.1,374.19 ; D111.A2 418.29,373.38 ; D111.A2 419.1,372.57 ; D111.A2 419.91,373.38 ; CSDPS425.B12 247.19,342.9 ; CSDPS425.B12 245.57,342.9 ; CSDPS425.B12 246.38,343.71 ; CSDPS425.B12 246.38,342.09 ; D116.B13 317.5,391.97 ; D116.B13 317.5,390.35 ; D116.B13 318.31,391.16 ; D116.B13 316.69,391.16 ; D302.B5 317.5,69.29 ; D302.B5 316.79,68.58 ; D302.B5 317.5,67.87 ; D302.B5 318.21,68.58 ; 411.48,329.39 D109.B5 ; D109.B5 410.67,330.2 ; D109.B5 411.48,331.01 ; D109.B5 412.29,330.2 ; 337.11,68.58 D302.B13 ; D302.B13 337.82,67.87 ; D302.B13 337.82,69.29 ; D302.B13 338.53,68.58 ; 256.54,342.09 CSDPS425.B8 ; CSDPS425.B8 256.54,343.71 ; CSDPS425.B8 257.35,342.9 ; CSDPS425.B8 255.73,342.9 ; 198.12,382.73 D431.A2 ; D431.A2 197.31,383.54 ; D431.A2 198.12,384.35 ; D431.A2 198.93,383.54 ; 317.5,370.03 D115.B13 ; D115.B13 318.31,370.84 ; D115.B13 317.5,371.65 ; D115.B13 316.69,370.84 ; D112.B10 399.59,388.62 ; D112.B10 398.78,387.81 ; D112.B10 397.97,388.62 ; D112.B10 398.78,389.43 ; D108.B11 407.21,38.1 ; D108.B11 405.59,38.1 ; D108.B11 406.4,37.29 ; D108.B11 406.4,38.91 ; D302.B6 320.75,71.12 ; D302.B6 320.04,71.83 ; D302.B6 319.33,71.12 ; D302.B6 320.04,70.41 ; 48.26,77.93 D126.B15 ; D126.B15 48.26,79.55 ; D126.B15 49.07,78.74 ; D126.B15 47.45,78.74 ; SITE1.G6 253.81,241.33 ; SITE1.G6 253.33,241.81 ; SITE1.G6 252.85,241.33 ; SITE1.G6 253.33,240.85 ; 332.03,83.82 D301.A11 ; D301.A11 332.74,83.11 ; D301.A11 333.45,83.82 ; D301.A11 332.74,84.53 ; 309.88,75.39 D102.A2 ; D102.A2 310.69,76.2 ; D102.A2 309.07,76.2 ; D102.A2 309.88,77.01 ; D110.A5 411.48,356.41 ; D110.A5 410.67,355.6 ; D110.A5 412.29,355.6 ; D110.A5 411.48,354.79 ; SITE3.G4 251.81,181.33 ; SITE3.G4 250.85,181.33 ; SITE3.G4 251.33,181.81 ; SITE3.G4 251.33,180.85 ; 111.76,52.53 D131.A11 ; D131.A11 111.76,54.15 ; D131.A11 110.95,53.34 ; D131.A11 112.57,53.34 ; SITE4.G7 328.33,188.41 ; SITE4.G7 328.33,187.45 ; SITE4.G7 327.85,187.93 ; SITE4.G7 328.81,187.93 ; D115.B8 330.2,369.11 ; D115.B8 330.2,367.49 ; D115.B8 329.39,368.3 ; D115.B8 331.01,368.3 ; D109.B2 419.91,327.66 ; D109.B2 418.29,327.66 ; D109.B2 419.1,328.47 ; D109.B2 419.1,326.85 ; D114.B7 333.55,350.52 ; D114.B7 332.74,349.71 ; D114.B7 332.74,351.33 ; D114.B7 331.93,350.52 ; 246.38,90.73 D321.B6 ; D321.B6 246.38,92.15 ; D321.B6 245.67,91.44 ; D321.B6 247.09,91.44 ; 396.24,57.61 D107.B7 ; D107.B7 396.24,59.23 ; D107.B7 395.43,58.42 ; D107.B7 397.05,58.42 ; D103.B13 338.63,58.42 ; D103.B13 337.82,59.23 ; D103.B13 337.01,58.42 ; D103.B13 337.82,57.61 ; 392.99,66.04 D306.A6 ; D306.A6 393.7,66.75 ; D306.A6 393.7,65.33 ; D306.A6 394.41,66.04 ; DPS2.A15 312.42,416.1 ; DPS2.A15 312.42,414.48 ; DPS2.A15 311.61,415.29 ; DPS2.A15 313.23,415.29 ; 334.47,327.66 D113.B6 ; D113.B6 336.09,327.66 ; D113.B6 335.28,328.47 ; D113.B6 335.28,326.85 ; U1.4 97.04,206.48 ; U1.4 96.1,205.54 ; U1.4 97.98,205.54 ; U1.4 97.04,204.6 ; 329.85,247.93 SITE2.G9 ; SITE2.G9 330.33,247.45 ; SITE2.G9 330.33,248.41 ; SITE2.G9 330.81,247.93 ; D431.A7 185.42,386.89 ; D431.A7 186.23,386.08 ; D431.A7 184.61,386.08 ; D431.A7 185.42,385.27 ; 271.78,85.65 D321.A16 ; D321.A16 271.07,86.36 ; D321.A16 271.78,87.07 ; D321.A16 272.49,86.36 ; D231.B8 183.69,368.3 ; D231.B8 182.88,367.49 ; D231.B8 182.07,368.3 ; D231.B8 182.88,369.11 ; 259.08,83.11 D321.A11 ; D321.A11 259.08,84.53 ; D321.A11 259.79,83.82 ; D321.A11 258.37,83.82 ; D115.B2 345.44,369.11 ; D115.B2 345.44,367.49 ; D115.B2 344.63,368.3 ; D115.B2 346.25,368.3 ; 403.15,66.04 D306.A10 ; D306.A10 404.57,66.04 ; D306.A10 403.86,65.33 ; D306.A10 403.86,66.75 ; D122.A16 272.59,76.2 ; D122.A16 270.97,76.2 ; D122.A16 271.78,77.01 ; D122.A16 271.78,75.39 ; D131.B9 107.49,58.42 ; D131.B9 106.68,57.61 ; D131.B9 105.87,58.42 ; D131.B9 106.68,59.23 ; D109.A8 404.67,332.74 ; D109.A8 403.86,331.93 ; D109.A8 403.86,333.55 ; D109.A8 403.05,332.74 ; 25.4,60.15 D127.B6 ; D127.B6 24.59,60.96 ; D127.B6 25.4,61.77 ; D127.B6 26.21,60.96 ; 388.62,39.83 D108.B4 ; D108.B4 389.43,40.64 ; D108.B4 388.62,41.45 ; D108.B4 387.81,40.64 ; D318.A5 170.89,63.5 ; D318.A5 169.47,63.5 ; D318.A5 170.18,64.21 ; D318.A5 170.18,62.79 ; 265.99,91.44 D321.B14 ; D321.B14 267.41,91.44 ; D321.B14 266.7,92.15 ; D321.B14 266.7,90.73 ; 327.85,241.33 SITE2.G1 ; SITE2.G1 328.33,240.85 ; SITE2.G1 328.33,241.81 ; SITE2.G1 328.81,241.33 ; 406.4,32.21 D108.A11 ; D108.A11 406.4,33.83 ; D108.A11 407.21,33.02 ; D108.A11 405.59,33.02 ; 309.88,34.75 D104.A2 ; D104.A2 309.07,35.56 ; D104.A2 309.88,36.37 ; D104.A2 310.69,35.56 ; 325.12,392.89 D116.A10 ; D116.A10 325.12,394.51 ; D116.A10 324.31,393.7 ; D116.A10 325.93,393.7 ; D317.A10 183.59,86.36 ; D317.A10 182.17,86.36 ; D317.A10 182.88,87.07 ; D317.A10 182.88,85.65 ; D301.A8 325.12,87.07 ; D301.A8 325.83,86.36 ; D301.A8 324.41,86.36 ; D301.A8 325.12,85.65 ; D231.B3 195.58,371.65 ; D231.B3 194.77,370.84 ; D231.B3 195.58,370.03 ; D231.B3 196.39,370.84 ; 383.54,60.15 D107.B2 ; D107.B2 382.73,60.96 ; D107.B2 383.54,61.77 ; D107.B2 384.35,60.96 ; 50.8,100.79 D125.B16 ; D125.B16 50.8,102.41 ; D125.B16 51.61,101.6 ; D125.B16 49.99,101.6 ; 249.85,241.33 SITE1.G3 ; SITE1.G3 250.81,241.33 ; SITE1.G3 250.33,241.81 ; SITE1.G3 250.33,240.85 ; 386.08,62.79 D306.A3 ; D306.A3 386.08,64.21 ; D306.A3 385.37,63.5 ; D306.A3 386.79,63.5 ; 20.32,39.83 D128.B4 ; D128.B4 20.32,41.45 ; D128.B4 19.51,40.64 ; D128.B4 21.13,40.64 ; D104.B5 317.5,38.91 ; D104.B5 316.69,38.1 ; D104.B5 317.5,37.29 ; D104.B5 318.31,38.1 ; 159.21,73.66 D118.A1 ; D118.A1 160.83,73.66 ; D118.A1 160.02,74.47 ; D118.A1 160.02,72.85 ; 88.9,80.47 D130.B2 ; D130.B2 88.9,82.09 ; D130.B2 88.09,81.28 ; D130.B2 89.71,81.28 ; D113.A13 318.31,335.28 ; D113.A13 316.69,335.28 ; D113.A13 317.5,334.47 ; D113.A13 317.5,336.09 ; D129.A15 121.92,94.79 ; D129.A15 122.73,93.98 ; D129.A15 121.92,93.17 ; D129.A15 121.11,93.98 ; 22.05,78.74 D126.B5 ; D126.B5 22.86,77.93 ; D126.B5 23.67,78.74 ; D126.B5 22.86,79.55 ; 265.89,81.28 D122.B14 ; D122.B14 267.51,81.28 